# KiCad board QBusH723Z.kicad_pcb (continued)
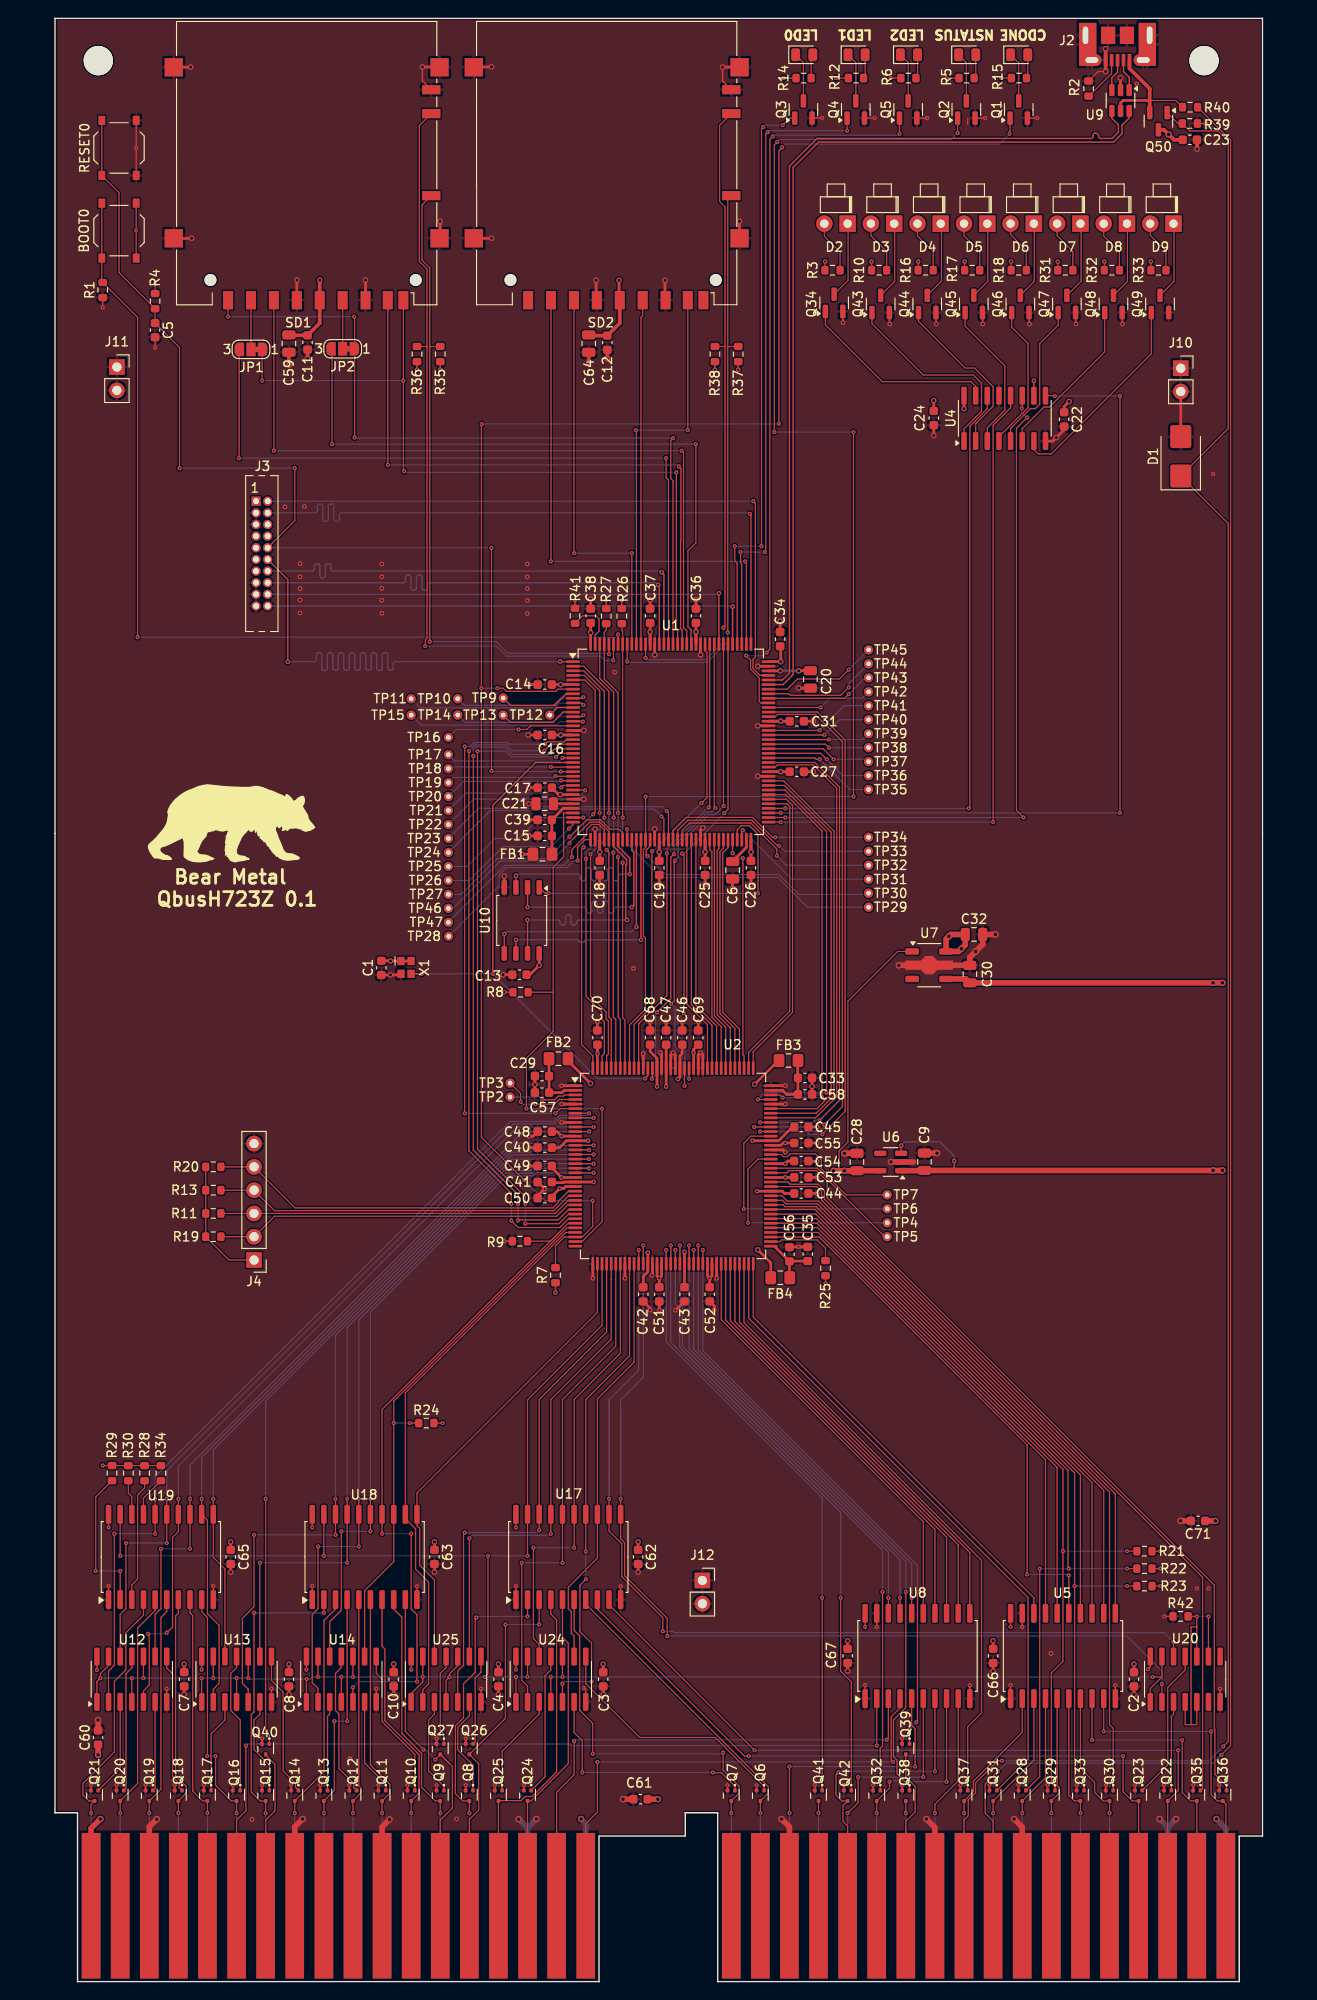
[diagram p0: board, top side]
## Library data of the parts (continued)
U12-U14 U20 U24 U25 = -: Datasheet: http://www.ti.com/lit/gpn/sn74LS08; Description: Quad And2; LCSC: C6052; ki_fp_filters: DIP*W7.62mm*
X1 = -: Datasheet: https://jlcpcb.com/partdetail/3151420-SX1M8000M10F30TNN/C2901607; Description: 1.62V~3.63V ±10ppm CMOS 8MHz SMD2016-4P Oscillators; LCSC: C2901607; ki_fp_filters: Oscillator*SMD*ECS*2520MV*2.5x2.0mm*

## Footprints (pads in the part's own frame, mm; a bottom-side part is the same pattern mirrored in y, then rotated)
C_0603_1608Metric
  rrect 0.9x0.95 smd: 1(-0.775,0) 2(0.775,0)
C_0805_2012Metric
  rrect 1x1.45 smd: 1(-0.95,0) 2(0.95,0)
C_0805_2012Metric_Pad1.18x1.45mm_HandSolder
  rrect 1.175x1.45 smd: 1(-1.038,0) 2(1.038,0)
Conn_02x10_Odd_Even_wide_connector
  rect 1x1 hole 0.65: 1(0,0)
  oval 1x1 hole 0.65: 2(1.27,0) 3(0,-1.27) 4(1.27,-1.27) 5(0,-2.54) 6(1.27,-2.54) 7(0,-3.81) 8(1.27,-3.81) 9(0,-5.08) 10(1.27,-5.08) 11(0,-6.35) 12(1.27,-6.35) 13(0,-7.62) 14(1.27,-7.62) 15(0,-8.89) 16(1.27,-8.89) 17(0,-10.16) 18(1.27,-10.16) 19(0,-11.43) 20(1.27,-11.43)
Crystal_SMD_2016-4Pin_2.0x1.6mm
  rect 0.9x0.8 smd: 1(-0.7,-0.55) 2(0.7,-0.55) 3(0.7,0.55) 4(-0.7,0.55)
D_SMB
  rrect 2.5x2.3 smd: 1(-2.15,0) 2(2.15,0)
DEC_Edge_Fingers_double_height
  rect 2.032x15.875 smd: AA1(1.016,8.001) AB1(4.191,8.001) AC1(7.366,8.001) AD1(10.541,8.001) AE1(13.716,8.001) AF1(16.891,8.001) AH1(20.066,8.001) AJ1(23.241,8.001) AK1(26.416,8.001) AL1(29.591,8.001) AM1(32.766,8.001) AN1(35.941,8.001) AP1(39.116,8.001) AR1(42.291,8.001) AS1(45.466,8.001) AT1(48.641,8.001) AU1(51.816,8.001) AV1(54.991,8.001) BA1(70.866,8.001) BB1(74.041,8.001) BC1(77.216,8.001) BD1(80.391,8.001) BE1(83.566,8.001) BF1(86.741,8.001) BH1(89.916,8.001) BJ1(93.091,8.001) BK1(96.266,8.001) BL1(99.441,8.001) BM1(102.616,8.001) BN1(105.791,8.001) BP1(108.966,8.001) BR1(112.141,8.001) BS1(115.316,8.001) BT1(118.491,8.001) BU1(121.666,8.001) BV1(124.841,8.001)
  rect 2.032x15.875 smd far side: AA2(1.016,8.001) AB2(4.191,8.001) AC2(7.366,8.001) AD2(10.541,8.001) AE2(13.716,8.001) AF2(16.891,8.001) AH2(20.066,8.001) AJ2(23.241,8.001) AK2(26.416,8.001) AL2(29.591,8.001) AM2(32.766,8.001) AN2(35.941,8.001) AP2(39.116,8.001) AR2(42.291,8.001) AS2(45.466,8.001) AT2(48.641,8.001) AU2(51.816,8.001) AV2(54.991,8.001) BA2(70.866,8.001) BB2(74.041,8.001) BC2(77.216,8.001) BD2(80.391,8.001) BE2(83.566,8.001) BF2(86.741,8.001) BH2(89.916,8.001) BJ2(93.091,8.001) BK2(96.266,8.001) BL2(99.441,8.001) BM2(102.616,8.001) BN2(105.791,8.001) BP2(108.966,8.001) BR2(112.141,8.001) BS2(115.316,8.001) BT2(118.491,8.001) BU2(121.666,8.001) BV2(124.841,8.001)
LED_0805_2012Metric
  rrect 0.975x1.4 smd: 1(-0.938,0) 2(0.938,0)
LED_D3.0mm_right_angle_holder
  rect 1.8x1.8 hole 0.9: 1(0,0)
  round 1.8 hole 0.9: 2(2.54,0)
LQFP-144_20x20mm_P0.5mm
  rrect 1.475x0.3 smd: 1(-10.662,8.75) 2(-10.662,8.25) 3(-10.662,7.75) 4(-10.662,7.25) 5(-10.662,6.75) 6(-10.662,6.25) 7(-10.662,5.75) 8(-10.662,5.25) 9(-10.662,4.75) 10(-10.662,4.25) 11(-10.662,3.75) 12(-10.662,3.25) 13(-10.662,2.75) 14(-10.662,2.25) 15(-10.662,1.75) 16(-10.662,1.25) 17(-10.662,0.75) 18(-10.662,0.25) 19(-10.662,-0.25) 20(-10.662,-0.75) 21(-10.662,-1.25) 22(-10.662,-1.75) 23(-10.662,-2.25) 24(-10.662,-2.75) 25(-10.662,-3.25) 26(-10.662,-3.75) 27(-10.662,-4.25) 28(-10.662,-4.75) 29(-10.662,-5.25) 30(-10.662,-5.75) 31(-10.662,-6.25) 32(-10.662,-6.75) 33(-10.662,-7.25) 34(-10.662,-7.75) 35(-10.662,-8.25) 36(-10.662,-8.75) 73(10.662,-8.75) 74(10.662,-8.25) 75(10.662,-7.75) 76(10.662,-7.25) 77(10.662,-6.75) 78(10.662,-6.25) 79(10.662,-5.75) 80(10.662,-5.25) 81(10.662,-4.75) 82(10.662,-4.25) 83(10.662,-3.75) 84(10.662,-3.25) 85(10.662,-2.75) 86(10.662,-2.25) 87(10.662,-1.75) 88(10.662,-1.25) 89(10.662,-0.75) 90(10.662,-0.25) 91(10.662,0.25) 92(10.662,0.75) 93(10.662,1.25) 94(10.662,1.75) 95(10.662,2.25) 96(10.662,2.75) 97(10.662,3.25) 98(10.662,3.75) 99(10.662,4.25) 100(10.662,4.75) 101(10.662,5.25) 102(10.662,5.75) 103(10.662,6.25) 104(10.662,6.75) 105(10.662,7.25) 106(10.662,7.75) 107(10.662,8.25) 108(10.662,8.75)
  rrect 0.3x1.475 smd: 37(-8.75,-10.662) 38(-8.25,-10.662) 39(-7.75,-10.662) 40(-7.25,-10.662) 41(-6.75,-10.662) 42(-6.25,-10.662) 43(-5.75,-10.662) 44(-5.25,-10.662) 45(-4.75,-10.662) 46(-4.25,-10.662) 47(-3.75,-10.662) 48(-3.25,-10.662) 49(-2.75,-10.662) 50(-2.25,-10.662) 51(-1.75,-10.662) 52(-1.25,-10.662) 53(-0.75,-10.662) 54(-0.25,-10.662) 55(0.25,-10.662) 56(0.75,-10.662) 57(1.25,-10.662) 58(1.75,-10.662) 59(2.25,-10.662) 60(2.75,-10.662) 61(3.25,-10.662) 62(3.75,-10.662) 63(4.25,-10.662) 64(4.75,-10.662) 65(5.25,-10.662) 66(5.75,-10.662) 67(6.25,-10.662) 68(6.75,-10.662) 69(7.25,-10.662) 70(7.75,-10.662) 71(8.25,-10.662) 72(8.75,-10.662) 109(8.75,10.662) 110(8.25,10.662) 111(7.75,10.662) 112(7.25,10.662) 113(6.75,10.662) 114(6.25,10.662) 115(5.75,10.662) 116(5.25,10.662) 117(4.75,10.662) 118(4.25,10.662) 119(3.75,10.662) 120(3.25,10.662) 121(2.75,10.662) 122(2.25,10.662) 123(1.75,10.662) 124(1.25,10.662) 125(0.75,10.662) 126(0.25,10.662) 127(-0.25,10.662) 128(-0.75,10.662) 129(-1.25,10.662) 130(-1.75,10.662) 131(-2.25,10.662) 132(-2.75,10.662) 133(-3.25,10.662) 134(-3.75,10.662) 135(-4.25,10.662) 136(-4.75,10.662) 137(-5.25,10.662) 138(-5.75,10.662) 139(-6.25,10.662) 140(-6.75,10.662) 141(-7.25,10.662) 142(-7.75,10.662) 143(-8.25,10.662) 144(-8.75,10.662)
MountingHole_3.2mm_M3
  round 3.2 hole 3.2 unplated: (0,0)
PinHeader_1x06_P2.54mm_Vertical
  rect 1.7x1.7 hole 1: 1(0,0)
  oval 1.7x1.7 hole 1: 2(0,-2.54) 3(0,-5.08) 4(0,-7.62) 5(0,-10.16) 6(0,-12.7)
PinSocket_1x02_P2.54mm_Vertical
  rect 1.7x1.7 hole 1: 1(0,0)
  oval 1.7x1.7 hole 1: 2(0,-2.54)
R_0603_1608Metric
  rrect 0.8x0.95 smd: 1(-0.825,0) 2(0.825,0)
SD_Hirose_DM1AA_SF_PEJ82
  round 1.3 hole 1.3 unplated: (-11.9,12.75) (10.5,12.75)
  rect 1.1x2 smd: 1(6.075,14.95) 2(3.575,14.95) 3(1.075,14.95) 4(-1.425,14.95) 5(-3.925,14.95) 6(-6.425,14.95) 7(-8.85,14.95) 8(-10.55,14.95) 9(8.575,14.95)
  rect 2x1 smd: 10(-13.6,3.55) 11(-13.6,-5.4) 12(-13.6,-8)
  rect 2x2 smd: 13(-14.5,8.2) 14(-14.5,-10.45) 15(14.5,-10.45) 16(14.5,8.2)
SOIC-8_5.23x5.23mm_P1.27mm
  rrect 1.6x0.6 smd: 1(-3.6,1.905) 2(-3.6,0.635) 3(-3.6,-0.635) 4(-3.6,-1.905) 5(3.6,-1.905) 6(3.6,-0.635) 7(3.6,0.635) 8(3.6,1.905)
SOIC-14_3.9x8.7mm_P1.27mm
  rrect 1.95x0.6 smd: 1(-2.475,3.81) 2(-2.475,2.54) 3(-2.475,1.27) 4(-2.475,0) 5(-2.475,-1.27) 6(-2.475,-2.54) 7(-2.475,-3.81) 8(2.475,-3.81) 9(2.475,-2.54) 10(2.475,-1.27) 11(2.475,0) 12(2.475,1.27) 13(2.475,2.54) 14(2.475,3.81)
SOIC-16_3.9x9.9mm_P1.27mm
  rrect 1.95x0.6 smd: 1(-2.475,4.445) 2(-2.475,3.175) 3(-2.475,1.905) 4(-2.475,0.635) 5(-2.475,-0.635) 6(-2.475,-1.905) 7(-2.475,-3.175) 8(-2.475,-4.445) 9(2.475,-4.445) 10(2.475,-3.175) 11(2.475,-1.905) 12(2.475,-0.635) 13(2.475,0.635) 14(2.475,1.905) 15(2.475,3.175) 16(2.475,4.445)
SOIC-20W_7.5x12.8mm_P1.27mm
  rrect 2.05x0.6 smd: 1(-4.65,5.715) 2(-4.65,4.445) 3(-4.65,3.175) 4(-4.65,1.905) 5(-4.65,0.635) 6(-4.65,-0.635) 7(-4.65,-1.905) 8(-4.65,-3.175) 9(-4.65,-4.445) 10(-4.65,-5.715) 11(4.65,-5.715) 12(4.65,-4.445) 13(4.65,-3.175) 14(4.65,-1.905) 15(4.65,-0.635) 16(4.65,0.635) 17(4.65,1.905) 18(4.65,3.175) 19(4.65,4.445) 20(4.65,5.715)
SolderJumper-3_P1.3mm_Bridged12_RoundedPad1.0x1.5mm_NumberLabels
  custom 1.05x1.5 smd: 1(-1.3,0) 3(1.3,0)
  rect 1x1.5 smd: 2(0,0)
SOT-23
  rrect 1.475x0.6 smd: 1(-0.938,0.95) 2(-0.938,-0.95) 3(0.938,0)
SOT-23-5
  rrect 1.325x0.6 smd: 1(-1.137,0.95) 2(-1.137,0) 3(-1.137,-0.95) 4(1.137,-0.95) 5(1.137,0.95)
SOT-23-6
  rrect 1.325x0.6 smd: 1(-1.137,0.95) 2(-1.137,0) 3(-1.137,-0.95) 4(1.137,-0.95) 5(1.137,0) 6(1.137,0.95)
SOT-89-5
  rrect 1.5x0.7 smd: 1(-1.85,1.5) 3(-1.85,-1.5) 4(1.85,-1.5) 5(1.85,1.5)
  custom 5.2x2 smd: 2(0,0)
SOT-723
  rrect 0.45x0.4 smd: 1(-0.575,0.4) 2(-0.575,-0.4) 3(0.575,0)
SW_Push_1P1T_XKB_TS-1187A
  rect 1x0.75 smd: 1(-3,1.875) 1(3,1.875) 2(-3,-1.875) 2(3,-1.875)
TestPoint_THTPad_D1.0mm_Drill0.5mm_min
  round 1 hole 0.5: 1(0,0)
USB_Micro-B_Molex-105017-0002
  rect 0.4x1.35 smd: 1(-1.3,1.462) 2(-0.65,1.462) 3(0,1.462) 4(0.65,1.462) 5(1.3,1.462)
  oval 1.4x2.7 hole 0.6x1.9: 6(-3.5,-1.238) 6(3.5,-1.238)
  rect 1.9x4.7 smd: 6(-3.25,-0.25) 6(3.25,-0.25)
  oval 2.1x1.3 hole 1.4x0.6: 6(-2.8,1.462) 6(2.8,1.462)
  rect 1.55x1.9 smd: 6(-1.025,-1.238) 6(1.025,-1.238)

## Nets
+1V2: C28.1 C40.1 C41.1 C42.1 C43.1 C44.1 C45.1 C46.1 C47.1 C68.1 FB2.1 FB3.1 FB4.1 U2.13 U2.22 U2.49 U2.57 U2.85 U2.96 U2.125 U2.128 U2.130 U6.5 U7.1
+3V3: BOOT0.1 C1.1 C2.1 C3.1 C4.1 C7.1 C8.1 C10.1 C11.1 C12.1 C13.1 C14.1 C16.1 C17.1 C18.1 C19.1 C22.1 C24.1 C25.1 C26.1 C27.1 C31.1 C32.1 C34.1 C36.1 C37.1 C38.1 C48.1 C49.1 C50.1 C51.1 C52.1 C53.1 C54.1 C55.1 C59.1 C62.1 C63.1 C64.1 C65.1 C66.1 C67.1 C69.1 C70.1 FB1.1 J3.1 J4.1 R4.2 R7.1 R8.1 R11.1 R13.1 R19.1 R20.1 R21.1 R22.1 R23.1 R24.1 R25.1 R26.1 R27.1 R28.2 R29.2 R30.2 R34.2 R35.2 R36.2 R37.2 R38.2 R41.1 SD1.4 SD2.4 U1.6 U1.17 U1.30 U1.39 U1.52 U1.62 U1.72 U1.84 U1.95 U1.108 U1.121 U1.131 U1.144 U2.12 U2.21 U2.23 U2.51 U2.52 U2.62 U2.63 U2.88 U2.91 U2.95 U2.122 U2.143 U4.10 U4.16 U5.20 U7.5 U8.20 U10.8 U12.14 U13.14 U14.14 U17.20 U18.20 U19.20 U20.14 U24.14 U25.14 X1.1 X1.4
+5V: C9.1 C23.1 C30.1 C60.1 C61.1 C71.1 J1.AA2 J1.BA2 J1.BV1 Q50.3 R3.2 R5.1 R6.1 R10.2 R12.1 R14.1 R15.1 R16.2 R17.2 R18.2 R31.2 R32.2 R33.2 U6.1 U6.3 U7.4
/VCCA_BR: C35.1 C56.1 FB4.2 U2.73
/VCCA_TL: C29.1 C57.1 FB2.2 U2.2
/VCCA_TR: C33.1 C58.1 FB3.2 U2.107
/VDDA_0: C15.1 C39.1 FB1.2 U1.33
GND: C1.2 C2.2 C3.2 C4.2 C5.2 C6.2 C7.2 C8.2 C9.2 C10.2 C11.2 C12.2 C13.2 C14.2 C15.2 C16.2 C17.2 C18.2 C19.2 C20.2 C21.2 C22.2 C23.2 C24.2 C25.2 C26.2 C27.2 C28.2 C29.2 C30.2 C31.2 C32.2 C33.2 C34.2 C35.2 C36.2 C37.2 C38.2 C39.2 C40.2 C41.2 C42.2 C43.2 C44.2 C45.2 C46.2 C47.2 C48.2 C49.2 C50.2 C51.2 C52.2 C53.2 C54.2 C55.2 C56.2 C57.2 C58.2 C59.2 C60.2 C61.2 C62.2 C63.2 C64.2 C65.2 C66.2 C67.2 C68.2 C69.2 C70.2 C71.2 D1.2 J1.AC2 J1.AJ1 J1.AM1 J1.AT1 J1.BC2 J1.BJ1 J1.BM1 J1.BT1 J2.5 J2.6 J3.3 J3.5 J3.15 J3.17 J3.19 J4.6 J10.1 J10.2 J11.1 J11.2 J12.1 J12.2 Q1.2 Q2.2 Q3.2 Q4.2 Q5.2 Q6.2 Q7.2 Q8.2 Q9.2 Q10.2 Q11.2 Q12.2 Q13.2 Q14.2 Q15.2 Q16.2 Q17.2 Q18.2 Q19.2 Q20.2 Q21.2 Q22.2 Q23.2 Q24.2 Q25.2 Q26.2 Q27.2 Q28.2 Q29.2 Q30.2 Q31.2 Q32.2 Q33.2 Q34.2 Q35.2 Q36.2 Q37.2 Q38.2 Q39.2 Q40.2 Q41.2 Q42.2 Q43.2 Q44.2 Q45.2 Q46.2 Q47.2 Q48.2 Q49.2 R1.1 R2.1 R9.1 R39.1 R42.1 RESET0.2 SD1.3 SD1.6 SD1.12 SD1.13 SD1.14 SD1.15 SD1.16 SD2.3 SD2.6 SD2.12 SD2.13 SD2.14 SD2.15 SD2.16 U1.16 U1.31 U1.38 U1.51 U1.61 U1.83 U1.94 U1.107 U1.120 U1.130 U2.1 U2.5 U2.9 U2.37 U2.44 U2.50 U2.64 U2.94 U2.104 U2.108 U2.120 U2.121 U2.126 U2.127 U2.129 U2.133 U4.8 U4.13 U5.1 U5.10 U5.19 U6.2 U7.2 U8.1 U8.10 U8.19 U9.2 U10.4 U12.7 U13.7 U14.7 U17.1 U17.10 U18.1 U18.10 U19.1 U19.10 U20.7 U24.7 U25.7 X1.2
/+5B: J1.AV1
/+12B: J1.BS1
/A16: U1.80 U2.105
/A17: U1.81 U2.103
/A18: U1.82 U2.102
/A19: U1.2 U2.140
/A20: U1.3 U2.141
/A21: U1.4 U2.142
/A22: U1.5 U2.144
/BBS7f: U2.68 U8.12
/BBS7g: Q32.1 U2.55
/BBS7L: J1.AP2 Q32.3 U8.8
/BDAL0f: U2.46 U17.13 U24.9
/BDAL0g: Q6.1 U24.8
/BDAL0L: J1.AU2 Q6.3 U17.7
/BDAL1f: U2.45 U17.14 U24.5
/BDAL1g: Q7.1 U24.6
/BDAL1L: J1.AV2 Q7.3 U17.6
/BDAL2f: U2.40 U17.18 U25.5
/BDAL2g: Q8.1 U25.6
/BDAL2L: J1.BE2 Q8.3 U17.2
/BDAL3f: U2.33 U18.12 U25.2
/BDAL3g: Q9.1 U25.3
/BDAL3L: J1.BF2 Q9.3 U18.8
/BDAL4f: R24.2 U2.32 U14.9 U18.13
/BDAL4g: Q10.1 U14.8
/BDAL4L: J1.BH2 Q10.3 U18.7
/BDAL5f: R9.2 U2.31 U14.5 U18.14
/BDAL5g: Q11.1 U14.6
/BDAL5L: J1.BJ2 Q11.3 U18.6
/BDAL6f: U2.20 U14.12 U18.15
/BDAL6g: Q12.1 U14.11
/BDAL6L: J1.BK2 Q12.3 U18.5
/BDAL7f: U2.19 U14.2 U18.16
/BDAL7g: Q13.1 U14.3
/BDAL7L: J1.BL2 Q13.3 U18.4
/BDAL8f: U2.18 U13.9 U18.17
/BDAL8g: Q14.1 U13.8
/BDAL8L: J1.BM2 Q14.3 U18.3
/BDAL9f: U2.17 U13.5 U18.18
/BDAL9g: Q15.1 U13.6
/BDAL9L: J1.BN2 Q15.3 U18.2
/BDAL10f: U2.15 U13.12 U19.11
/BDAL10g: Q16.1 U13.11
/BDAL10L: J1.BP2 Q16.3 U19.9
/BDAL11f: U2.14 U13.2 U19.12
/BDAL11g: Q17.1 U13.3
/BDAL11L: J1.BR2 Q17.3 U19.8
/BDAL12f: U2.11 U12.9 U19.13
/BDAL12g: Q18.1 U12.8
/BDAL12L: J1.BS2 Q18.3 U19.7
/BDAL13f: U2.10 U12.5 U19.14
/BDAL13g: Q19.1 U12.6
/BDAL13L: J1.BT2 Q19.3 U19.6
/BDAL14f: U2.8 U12.12 U19.15
/BDAL14g: Q20.1 U12.11
/BDAL14L: J1.BU2 Q20.3 U19.5
/BDAL15f: U2.7 U12.2 U19.16
/BDAL15g: Q21.1 U12.3
/BDAL15L: J1.BV2 Q21.3 U19.4
/BDAL16f: U2.48 U17.11 U20.2
/BDAL16g: Q22.1 U20.3
/BDAL16L: J1.AC1 Q22.3 U17.9
/BDAL17f: U2.47 U17.12 U20.12
/BDAL17g: Q23.1 U20.11
/BDAL17L: J1.AD1 Q23.3 U17.8
/BDAL18f: U2.43 U17.15 U24.12
/BDAL18g: Q24.1 U24.11
/BDAL18L: J1.BC1 Q24.3 U17.5
/BDAL19f: U2.42 U17.16 U24.2
/BDAL19g: Q25.1 U24.3
/BDAL19L: J1.BD1 Q25.3 U17.4
/BDAL20f: U2.41 U17.17 U25.9
/BDAL20g: Q26.1 U25.8
/BDAL20L: J1.BE1 Q26.3 U17.3
/BDAL21f: U2.38 U18.11 U25.12
/BDAL21g: Q27.1 U25.11
/BDAL21L: J1.BF1 Q27.3 U18.9
/BDCOK: J1.BA1 U8.4
/BDCOKf: U2.60 U8.16
/BDINf: U2.75 U5.15
/BDINg: Q29.1 R21.2 U2.78
/BDINL: J1.AH2 Q29.3 U5.5
/BDMGIf: U2.66 U8.14
/BDMGIL: J1.AR2 U8.6
/BDMGOg: Q41.1 U2.53
/BDMGOL: J1.AS2 Q41.3
/BDMRg: Q39.1 U2.61
/BDMRL: J1.AN1 Q39.3
/BDOUTf: U2.82 U5.13
/BDOUTg: Q30.1 U2.84
/BDOUTL: J1.AE2 Q30.3 U5.7
/BEVNTL: J1.BR1
/BHALTL: J1.AP1
/BIAKIf: U2.69 U8.11
/BIAKIL: J1.AM2 U8.9
/BIAKOg: Q38.1 U2.59
/BIAKOL: J1.AN2 Q38.3
/BINITf: U2.65 U8.15
/BINITL: J1.AT2 U8.5
/BIRQ4f: U2.72 U5.18
/BIRQ4g: Q37.1 U2.70
/BIRQ4L: J1.AL2 Q37.3 U5.2
/BIRQ5f: U2.86 U5.11
/BIRQ5g: Q36.1 U2.89
/BIRQ5L: J1.AA1 Q36.3 U5.9
/BIRQ6f: U2.83 U5.12
/BIRQ6g: Q35.1 U2.87
/BIRQ6L: J1.AB1 Q35.3 U5.8
/BIRQ7f: U2.56 U8.18
/BIRQ7L: J1.BP1 U8.2
/BKUPPWR: J1.AS1
/BOOT0: BOOT0.2 R1.2 U1.138
/BPOK: J1.BB1 U8.3
/BPOKf: U2.58 U8.17
/BREFf: U2.67 U8.13
/BREFg: Q42.1 U2.54
/BREFL: J1.AR1 Q42.3 U8.7
/BRPLYf: U2.81 U5.14
/BRPLYg: Q33.1 R23.2 U2.80
/BRPLYL: J1.AF2 Q33.3 U5.6
/BSACKg: Q40.1 U2.16
/BSACKL: J1.BN1 Q40.3
/BSYNCf: U2.77 U5.16
/BSYNCg: Q28.1 R22.2 U2.79
/BSYNCL: J1.AJ2 Q28.3 U5.4
/BWTBTf: U2.76 U5.17
/BWTBTg: Q31.1 U2.71
/BWTBTL: J1.AK2 Q31.3 U5.3
/CARD_DETECT_1: R35.1 SD1.10 U1.140
/CARD_DETECT_2: R37.1 SD2.10 U1.136
/CDONE: Q1.1 R7.2 U1.7 U2.34
/CLK_8MHz: U1.23 U2.132 X1.3
/CRESET_N: R8.2 U1.34 U2.35
/DA0: U1.85 U2.101
/DA1: U1.86 U2.100
/DA2: U1.114 U2.123
/DA3: U1.115 U2.124
/DA4: U1.58 U2.119
/DA5: U1.59 U2.118
/DA6: U1.60 U2.117
/DA7: U1.63 U2.116
/DA8: U1.64 U2.115
/DA9: U1.65 U2.114
/DA10: U1.66 U2.113
/DA11: U1.67 U2.112
/DA12: U1.68 U2.111
/DA13: U1.77 U2.110
/DA14: U1.78 U2.109
/DA15: U1.79 U2.106
/F_TCK: J4.3 R11.2 U2.26
/F_TDI: J4.2 R19.2 U2.27
/F_TDO: J4.5 R20.2 U2.24
/F_TMS: J4.4 R13.2 U2.25
/FMC_CLK: U1.117 U2.131
/LD0: Q34.1 U4.15
/LD1: Q43.1 U4.1
/LD2: Q44.1 U4.2
/LD3: Q45.1 U4.3
/LD4: Q46.1 U4.4
/LD5: Q47.1 U4.5
/LD6: Q48.1 U4.6
/LD7: Q49.1 U4.7
/LED0: Q3.1 U1.112
/LED1: Q4.1 U1.111
/LED2: Q5.1 U1.99
/MCO1: TP43.1 U1.100
/MSPARE_AK1: J1.AK1 R40.1
/MSPARE_AL1: D1.1 J1.AL1 Q50.1 R39.2
/MSPAREB: J1.BL1
/MSPAREB : J1.BK1
/NBL0: R27.2 U1.141 U2.138
/NBL1: U1.142 U2.139
/NE1: U1.97 U2.98
/NL: R26.2 U1.137 U2.137
/NOE: U1.118 U2.134
/nRESET: C5.1 J3.10 R4.1 RESET0.1 U1.25
/NSTATUS: Q2.1 U1.49 U2.136
/NWAIT: U1.96 U2.99
/NWE: U1.119 U2.135
/Outbound: U2.39 U12.1 U12.4 U12.10 U12.13 U13.1 U13.4 U13.10 U13.13 U14.1 U14.4 U14.10 U14.13 U17.19 U18.19 U19.19 U20.1 U20.13 U24.1 U24.4 U24.10 U24.13 U25.1 U25.4 U25.10 U25.13
/PD6_SD_CLK: JP2.3 U1.122
/PD7_SD_CMD_SPI1_MOSI: SD1.2 U1.123
/PDR_ON: R41.2 U1.143
/PG9_SD_D0_SPI1_MISO: SD1.7 U1.124
/PG10_SD_D1_SPI1_NSS: JP1.1 SD1.8 U1.125
/PG11_SD_D2_SPI1_SCK: JP2.1 SD1.9 U1.126
/PG12_SD_D3: JP1.3 U1.127
/PSPARE1: J1.AU1
/PSPARE2: J1.BU1
/QSPI_CLK: U1.48 U10.6
/QSPI_IO0: U1.47 U10.5
/QSPI_IO1: U1.46 U10.2
/QSPI_IO2: U1.43 U10.3
/QSPI_IO3: U1.42 U10.7
/QSPI_NCS: U1.69 U10.1
/REF_RES: U2.36
/RXD: TP45.1 U1.102
/SD_CLK_SPI1_SCK: JP2.2 SD1.5
/SD_D3_SPI1_NSS: JP1.2 SD1.1
/SPI2_MISO: U1.75 U4.9
/SPI2_MOSI: U1.76 U4.14
/SPI2_NSS: U1.73 U4.12
/SPI2_SCK: U1.74 U4.11
/SPI3_MISO: SD2.7 U1.134
/SPI3_MOSI: SD2.2 U1.135
/SPI3_NSS: SD2.1 U1.110
/SPI3_SCK: SD2.5 U1.133
/SPI5_MISO: U1.20 U2.28
/SPI5_MOSI: U1.21 U2.29
/SPI5_NSS: U1.18 U2.6
/SPI5_SCK: U1.19 U2.30
/SSPARE1: J1.AE1
/SSPARE2: J1.AF1
/SSPARE3: J1.AH1
/SSPARE8: J1.BH1
/SWCLK: J3.4 U1.109
/SWDIO: J3.2 U1.105
/TDI: J3.8
/TDO: J3.6
/TEST_N: R25.2 U2.74
/TRACECK: J3.12 U1.1
/TRACED0: J3.14 U1.128
/TRACED1: J3.16 U1.129
/TRACED2: J3.18 U1.116
/TRACED3: J3.20 U1.113
/TXD: TP44.1 U1.101
/USB_D+: U1.104 U9.4
/USB_D-: U1.103 U9.6
/WRITE_PROTECT_1: R36.1 SD1.11 U1.139
/WRITE_PROTECT_2: R38.1 SD2.11 U1.132
Net-(C6-Pad1): C6.1 U1.71
Net-(C20-Pad1): C20.1 U1.106
Net-(CDONE0-A): CDONE0.2 R15.2
Net-(CDONE0-K): CDONE0.1 Q1.3
Net-(D2-A): D2.2 R3.1
Net-(D2-K): D2.1 Q34.3
Net-(D3-A): D3.2 R10.1
Net-(D3-K): D3.1 Q43.3
Net-(D4-A): D4.2 R16.1
Net-(D4-K): D4.1 Q44.3
Net-(D5-A): D5.2 R17.1
Net-(D5-K): D5.1 Q45.3
Net-(D6-A): D6.2 R18.1
Net-(D6-K): D6.1 Q46.3
Net-(D7-A): D7.2 R31.1
Net-(D7-K): D7.1 Q47.3
Net-(D8-A): D8.2 R32.1
Net-(D8-K): D8.1 Q48.3
Net-(D9-A): D9.2 R33.1
Net-(D9-K): D9.1 Q49.3
Net-(J2-D+): J2.3 U9.3
Net-(J2-D-): J2.2 U9.1
Net-(J2-ID): J2.4 R2.2
Net-(J2-VBUS): J2.1 Q50.2 R40.2 U9.5
Net-(LED0-A): LED0.2 R14.2
Net-(LED0-K): LED0.1 Q3.3
Net-(LED1-A): LED1.2 R12.2
Net-(LED1-K): LED1.1 Q4.3
Net-(LED2-A): LED2.2 R6.2
Net-(LED2-K): LED2.1 Q5.3
Net-(NSTATUS0-A): NSTATUS0.2 R5.2
Net-(NSTATUS0-K): NSTATUS0.1 Q2.3
Net-(R42-Pad2): R42.2 U20.4 U20.5 U20.9 U20.10
Net-(U1-PA1): TP25.1 U1.35
Net-(U1-PA2): TP26.1 U1.36
Net-(U1-PA3): TP28.1 U1.37
Net-(U1-PA4): TP47.1 U1.40
Net-(U1-PA5): TP46.1 U1.41
Net-(U1-PB11): TP31.1 U1.70
Net-(U1-PC0): TP19.1 U1.26
Net-(U1-PC1): TP20.1 U1.27
Net-(U1-PC2_C): TP21.1 U1.28
Net-(U1-PC3_C): TP22.1 U1.29
Net-(U1-PC4): TP27.1 U1.44
Net-(U1-PC5): TP29.1 U1.45
Net-(U1-PC8): TP42.1 U1.98
Net-(U1-PC14): TP9.1 U1.8
Net-(U1-PC15): TP10.1 U1.9
Net-(U1-PF0): TP11.1 U1.10
Net-(U1-PF1): TP12.1 U1.11
Net-(U1-PF2): TP13.1 U1.12
Net-(U1-PF3): TP14.1 U1.13
Net-(U1-PF4): TP15.1 U1.14
Net-(U1-PF5): TP16.1 U1.15
Net-(U1-PF10): TP17.1 U1.22
Net-(U1-PF12): TP30.1 U1.50
Net-(U1-PF13): TP24.1 U1.53
Net-(U1-PF14): TP23.1 U1.54
Net-(U1-PF15): TP34.1 U1.55
Net-(U1-PG0): TP33.1 U1.56
Net-(U1-PG1): TP32.1 U1.57
Net-(U1-PG2): TP35.1 U1.87
Net-(U1-PG3): TP36.1 U1.88
Net-(U1-PG4): TP37.1 U1.89
Net-(U1-PG5): TP38.1 U1.90
Net-(U1-PG6): TP39.1 U1.91
Net-(U1-PG7): TP40.1 U1.92
Net-(U1-PG8): TP41.1 U1.93
Net-(U1-PH1): TP18.1 U1.24
Net-(U1-VREF+): C21.1 U1.32
Net-(U2C-GPIOL_53_CDI10): TP2.1 U2.3
Net-(U2C-GPIOL_54_CDI11): TP3.1 U2.4
Net-(U2F-GPIOR_122_CLK13_CDI21): TP6.1 U2.97
Net-(U2F-GPIOR_123_CLK12_CDI20): TP7.1 U2.93
Net-(U2G-GPIOR_125_CLK10): TP4.1 U2.92
Net-(U2G-GPIOR_128_CTRL11): TP5.1 U2.90
Net-(U19-A0): R29.1 U19.2
Net-(U19-A1): R28.1 U19.3
Net-(U19-Y0): R30.1 U19.18
Net-(U19-Y1): R34.1 U19.17

Pads without a net: J1 AB2 AD2 BB2 BD2; J3 7 9 11 13; SD2 8 9; U6 4; U7 3; U20 6 8

## Via types
v1: diameter 0.61, hole 0.356, Top to Bottom, 103 vias
v2: diameter 0.508, hole 0.254, Top to Bottom, 114 vias
v3: diameter 0.45, hole 0.2, Top to Bottom, 468 vias
v4: diameter 0.711, hole 0.406, Top to Bottom, 34 vias

## Routing (per net, layer and track width the routed paths; a pad name or vN(x,y) marks a point on that pad's centre or on a via; arc(x,y) is an arc through that point)
+1V2: length 93.4
  Top w0.127: U7.1 91.95,112.36 86.52,106.93 86.52,91.56 85.55,90.59 85.55,88.43
  Top w0.3: C68.1 64.94,101.45 65.69,100.7 U2.130 v2(65.69,97.62) ; v2(66.69,97.62) U2.128 C47.1 ; 78.94,100.46 v1(76.34,97.86) ; C44.1 79.6,85.96 79.35,86.21 U2.85 v2(76.6,86.21) ; v2(58.77,87.21) U2.22 55.56,87.21 55.49,87.13 54.29,87.13 ; C40.1 55.06,90.96 55.81,91.71 U2.13 v2(58.17,91.71) ; C46.1 68.44,101.21 68.19,100.96 U2.125 68.19,98.65 v2(67.97,98.44) ; 80.46,93.21 78.96,91.71 U2.96 v2(76.1,91.71) ; C43.1 U2.57 v2(68.69,79.59) ; C42.1 64.19,76.93 64.69,77.43 U2.49 64.69,79.5 v2(64.67,79.51)
  Top w0.305: 55.97,100.42 v1(58.44,97.96) ; FB4.1 78.1,78.4 v1(76.68,79.82)
  Top w0.6: v4(84.96,88.43) 87.49,88.43 ; U6.5 C28.1
  In2.Cu w0.6: v4(86.13,88.43) 75.92,88.43
+3V3: length 174.7
  Top w0.127: 27.43,35.49 v3(27.43,34.03) ; 50.29,50.98 v3(50.29,49.52) ; R20.1 R13.1 R11.1 R19.1 18.99,78.7 J4.1 ; 88.39,40.06 v3(88.39,38.7) ; BOOT0.1 v3(8.86,191) BOOT0.1 ; v3(42.29,60.92) R24.1 ; R22.1 v3(120.6,45.05) ; 5.84,50.98 v3(5.84,49.52) ; v3(60.15,150.66) R27.1 ; 16,35.49 v3(16,34.03) ; 4.57,35.46 v3(4.57,34) ; 10.92,184.11 v3(10.92,185.19) ; R26.1 v3(61.85,150.63) ; v3(5.21,56.29) R29.2 R34.2 ; R23.1 v3(120.6,43.14) ; 28.07,50.98 v3(28.07,49.52) ; 119.51,35.49 119.51,34.33 v3(119.25,34.07) ; 50.29,35.49 v3(50.29,34.03) ; 38.86,35.49 v3(38.86,34.03) ; R25.1 v3(84.07,76.16) ; v3(56.74,150.63) R41.1 ; 104.27,40.06 v3(104.27,38.7) ; R21.1 v3(120.59,46.95)
  Top w0.152: R7.1 v2(54.61,75.15) ; 74.55,176.75 v2(74.55,175.79) ; v2(42.04,175.79) 42.04,176.75 ; 39.5,176.75 v2(39.5,175.79) ; R8.1 v2(49.02,107.91) ; U4.10 v2(106.81,174.61) ; 72.01,176.75 v2(72.01,175.79)
  Top w0.3: C67.1 v1(86.49,37.17) ; C66.1 v1(102.36,37.17) ; C54.1 79.97,89.5 v2(79.69,89.21) U2.91 ; v1(75.94,123.21) U1.72 C26.1 ; v1(70.94,123.21) U1.62 C25.1 ; C17.1 54.96,129.46 v1(55.13,129.46) U1.30 ; U1.144 v1(58.44,147.12) 58.45,147.13 C38.1 ; U1.39 v1(59.44,123.21) C18.1 ; C14.1 U1.6 v1(55.19,141.46) ; U2.23 55.71,86.71 55.5,86.5 v2(55.07,86.5) 55.06,86.5 54.21,85.65 ; v2(71.43,76.72) 71.19,76.96 U2.62 ; v2(71.43,76.72) 71.44,76.71 C52.1 ; v2(71.43,76.72) 71.69,76.97 U2.63 ; C3.1 v1(59.82,34.63) ; C19.1 v1(65.94,123.21) U1.52 ; C8.1 v1(25.53,34.63) ; C2.1 v1(117.73,34.63) ; C31.1 U1.95 v1(79.19,137.46) ; C16.1 v1(55.19,135.96) U1.17 ; U2.21 v2(55.27,87.71) 54.21,88.77 ; v1(64.94,147.21) U1.131 C37.1 ; v2(65.94,76.72) 65.69,76.97 U2.51 ; v2(65.94,76.72) 66.19,76.97 U2.52 ; v2(65.94,76.72) C51.1 ; C7.1 v1(14.1,34.63) ; C36.1 U1.121 v1(69.94,147.21) ; C53.1 v2(79.69,87.71) U2.88 ; C27.1 U1.84 v1(79.19,131.96) ; C63.1 v1(41.4,47.97) ; C48.1 54.77,92.71 v2(55.27,92.21) 56.74,92.21 ; U1.108 v1(79.19,143.96) 79.19,145.58 ; C62.1 v1(63.63,47.97) ; C65.1 v1(19.18,47.97) ; C55.1 v2(79.69,91.46) 79.44,91.46 79.19,91.21 U2.95 ; C69.1 69.67,101.67 v2(69.67,101.31) 69.69,101.29 U2.122 ; C4.1 v1(48.39,34.63) ; C10.1 v1(36.96,34.63) ; U2.143 v2(59.19,101.21)
  Top w0.305: 61.55,183.35 61.55,185.54 v1(61.55,185.55) ; C22.1 110.11,171.8 v1(110.65,172.34) ; v1(95.89,172.43) C24.1 ; v2(59.19,101.21) C70.1 ; 52.83,112.2 v1(52.83,110.83) 51.82,109.82 C13.1 ; C1.1 36.58,111.34 v1(36.6,111.31) X1.4 ; v1(50.94,122.96) FB1.1 ; v1(99.19,171.54) U4.16
  Top w0.406: v1(28.89,185.58) 28.89,185.58 SD1.4 28.89,180.88 C11.1 25.53,179.55 ; SD2.4 61.62,180.88 C12.1 58.24,179.52
  Top w0.61: v4(97.54,114.01) 97.74,114.21 C32.1 99.33,113.08 v4(98.89,112.65) 98.6,112.36 U7.5 97.23,113.7 v4(97.54,114.01)
+5V: length 126.7
  Top w0.127: R33.2 v2(119.57,187.6) ; v3(79.5,207.61) R14.1 ; 109.42,186.63 v2(109.42,187.58) ; v3(103.25,207.61) R15.1 ; 104.32,186.65 v2(104.32,187.6) ; v3(91.19,207.61) R6.1 ; v3(97.28,207.61) R5.1 ; 99.26,186.65 v2(99.26,187.6) ; 89.1,186.65 v2(89.1,187.6) ; 94.18,186.65 v2(94.18,187.6) ; 114.5,186.65 v2(114.5,187.6) ; v3(85.22,207.61) R12.1 ; 84.02,186.65 v2(84.02,187.6)
  Top w0.152: v2(92.33,91.17) 92.32,91.17 U6.3 ; v2(98.12,89.52) 98.12,88.47
  Top w0.406: C23.1 122.1,200.88 v4(121.51,201.46) 121,201.97 Q50.3
  Top w0.61: U7.4 99.4,109.36 C30.1 127.38,108.93 v4(127.38,108.93) ; v4(4.95,17.74) 3.94,16.73 J1.BV1 ; U6.1 94.84,88.45 ; C71.1 v4(126.62,50.25) ; C60.1 v4(4.7,24.73) ; v4(127.38,88.48) 127.37,88.47 v4(126.37,88.47) C9.1 ; C61.1 v4(65.79,19.9)
  In2.Cu w0.61: v4(4.7,24.73) 2.26,24.73
  Bottom w0.152: v2(92.33,91.17) 92.76,91.61 96.55,91.61 98.12,90.03 v2(98.12,89.52)
  Bottom w0.61: v4(57.4,17.74) 57.91,17.23 J1.BA2 ; J1.AA2 127.76,16.7 v4(126.72,17.74)
  vias: v4(126.37,108.93)
/VCCA_BR: length 6.1
  Top w0.3: 78.48,80.21 C56.1 80.14,76.81
  Top w0.305: 80.17,78.59 C35.1
/VCCA_TL: length 6.7
  Top w0.3: C29.1 C57.1 55.31,96.96 55.56,97.21 U2.2
  Top w0.305: FB2.2 53.9,98.77
/VCCA_TR: length 6.8
  Top w0.3: U2.107 79.4,97.21 79.85,96.76 C58.1 C33.1 ; 81.04,100.42 81.04,98.59
/VDDA_0: length 6.6
  Top w0.3: C15.1 C39.1 55.46,127.96 U1.33
  Top w0.305: FB1.2 54.22,124.95
GND: length 323.1
  Top w0.127: 117.83,20.86 v3(117.83,21.44) ; 47.99,20.85 v3(47.99,21.43) ; v3(89.44,203.26) 88.36,203.26 ; 35.29,20.85 v3(35.29,21.43) ; U19.1 v3(5.84,43.14) ; 86.08,20.87 v3(86.08,21.45) ; 46.48,30.47 v3(46.48,31.94) ; 82.91,20.86 v3(82.91,21.44) ; Q21.2 3.92,21.41 v3(3.94,21.42) ; 108.31,20.86 v3(108.31,21.44) ; 127.13,30.47 v3(127.13,31.94) ; 111.48,20.86 v3(111.48,21.44) ; RESET0.2 v3(8.86,200.02) RESET0.2 ; U8.19 v3(89.66,38.7) ; v3(83.7,203.26) 82.62,203.26 ; 99.82,30.85 v3(99.82,32.32) ; U17.1 v3(50.29,43.14) ; 38.46,20.85 v3(38.46,21.43) ; 115.7,30.85 v3(115.7,32.32) ; 121.01,20.86 v3(121.01,21.44) ; 41.66,25.96 v3(41.66,26.5) ; 105.13,20.86 v3(105.13,21.44) ; 39.5,41.64 v3(39.5,43.12) ; 12.19,30.47 v3(12.19,31.94) ; 98.78,20.86 v3(98.78,21.44) ; v3(95.16,203.24) 94.07,203.24 ; 28.94,20.85 v3(28.94,21.43) ; 101.96,20.86 v3(101.96,21.44) ; Q26.2 44.81,26.49 v3(44.83,26.5) ; R2.1 113.8,208.31 v1(114.64,208.31) ; 25.76,20.85 v3(25.76,21.43) ; R1.1 v3(5.21,182.59) ; 35.05,30.47 v3(35.05,31.94) ; 51.16,20.85 v3(51.16,21.43) ; 22.59,20.85 v3(22.59,21.43) ; 32.11,20.85 v3(32.11,21.43) ; v3(121.03,39.84) R42.1 ; v3(101.51,203.24) 100.42,203.24 ; U5.19 v3(105.54,38.7) ; v3(57.71,32.04) 57.91,31.84 57.91,30.47 ; U18.1 v3(28.07,43.14) ; Q16.2 v3(19.41,21.44) ; U8.1 v3(88.39,32.35) ; 89.26,20.85 v3(89.26,21.43) ; 23.62,30.47 v3(23.62,31.94) ; 76.56,20.85 v3(76.56,21.43) ; v3(107.19,203.24) Q1.2 ; C5.2 v3(10.92,178.21) ; U5.1 v3(104.27,32.35) ; v3(127.03,21.45) 127.03,21.44 Q36.2 ; 44.81,20.85 v3(44.81,21.43) ; v3(125.55,202.65) R39.1 ; 124.21,20.86 v3(124.21,21.44) ; v3(9.89,21.45) 9.89,20.88 ; 73.39,20.85 v3(73.39,21.43) ; v3(6.71,21.45) 6.71,20.88 ; 22.61,25.96 v3(22.61,26.5) ; U19.10 v3(17.27,43.14) ; 99.59,202.56 99.59,203.22 ; 114.68,20.86 v3(114.68,21.44) ; 41.64,20.85 v3(41.64,21.43) ; v3(13.06,21.45) 13.06,20.88 ; 92.44,25.95 v3(92.44,26.53) ; 92.44,20.85 v3(92.44,21.43) ; 61.72,41.64 v3(61.72,43.12) ; v3(16.24,21.45) 16.24,20.88
  Top w0.152: 106.3,182.01 106.3,180.81 ; v2(85.98,180.94) 85.96,180.95 Q34.2 ; v2(48.97,80.76) R9.1 ; 67.74,73.24 v2(67.69,73.24) ; 91.06,182.01 91.06,180.81 ; SD2.12 72.84,207.3 v1(72.84,208.79) ; v1(40.09,208.81) 40.09,207.31 SD1.12 ; 111.38,182.01 111.38,180.81 ; 96.14,182.01 96.14,180.81 ; 101.22,182.01 101.22,180.81 ; 116.46,182.01 116.46,180.81
  Top w0.3: C10.2 v1(36.96,31.33) ; U2.9 v2(55.27,93.71) ; C2.2 v1(117.73,31.33) ; U2.50 65.19,77.09 v2(65.13,77.03) ; U2.121 70.19,101.09 ; U2.129 66.19,101.19 ; C66.2 v1(102.36,33.87) ; v1(57.69,128.96) U1.31 ; C65.2 v1(19.18,44.67) ; C63.2 v1(41.4,44.67) ; U1.83 v1(76.69,131.46) ; D1.2 122.83,173.42 ; U2.44 v2(62.19,76.71) ; U2.64 v2(72.19,76.71) ; U2.37 v2(58.69,76.71) ; C7.2 v1(14.1,31.33) ; U2.104 v2(79.69,95.71) ; C62.2 v1(63.63,44.67) ; C3.2 v1(59.82,31.33) ; v1(70.7,125.84) 70.44,125.58 U1.61 ; U2.120 70.69,101.08 ; v2(79.69,90.46) 79.44,90.71 U2.94 ; C4.2 v1(48.39,31.33) ; v1(57.69,136.46) U1.16 ; U1.94 v1(76.69,136.96) ; U1.130 v1(65.44,144.71) ; U1.38 v1(58.94,125.71) ; C8.2 v1(25.53,31.33) ; U2.1 v2(55.27,97.71) ; C67.2 v1(86.49,33.87) ; v1(76.69,143.46) U1.107 ; U2.5 v2(55.27,95.71) ; U1.120 v1(70.44,144.71) ; U2.127 67.19,101.06 v2(67.44,101.31) 67.69,101.06 U2.126 ; U2.108 v2(79.69,97.71) ; U1.51 v1(65.44,125.71) ; U2.133 v2(64.19,101.21)
  Top w0.305: 59.05,183.35 59.05,185.54 v1(59.05,185.55) ; 66.19,101.19 v2(66.04,101.33) ; 70.19,103.71 v2(70.19,104.69) ; 52.69,141.46 v1(51.64,141.46) ; 66.55,183.35 66.55,185.54 ; 81.69,137.46 v1(82.74,137.46) ; 65.94,74.21 v2(65.94,73.24) ; 79.12,147.33 v1(79.12,148.38) ; 12.99,190.12 14.9,190.12 ; 108.08,168.02 108.87,168.02 v1(109.25,168.4) 110.11,169.26 C22.2 ; v1(51.71,128.46) 52.69,128.46 ; C15.2 v1(51.69,124.96) ; v1(74.68,191.99) 74.68,190.18 ; 37.63,109.79 36.63,109.79 v1(36.6,109.81) 36.58,109.79 C1.2 ; C52.2 71.94,73.69 v2(71.94,73.24) ; C29.2 v1(52.36,97.84) C57.2 ; 75.94,120.71 v1(75.94,119.66) ; v1(26.39,185.58) 26.39,185.58 SD1.3 ; 42,208.82 40.09,208.82 ; 82.19,87.71 v2(83.16,87.71) ; 82.19,91.46 v2(83.16,91.46) ; 64.94,149.71 v1(64.94,150.71) ; 74.75,208.8 72.84,208.8 ; 45.72,208.83 47.63,208.83 ; 70.69,101.08 v2(70.43,101.33) 70.19,101.09 ; 52.69,90.96 v2(51.71,90.96) ; 81.69,131.96 v1(82.74,131.96) ; v1(49.02,120.55) U10.4 ; 65.94,120.71 v1(65.94,119.66) ; 52.66,85.69 v2(53.44,86.46) 52.69,87.21 ; C43.2 67.74,73.24 ; 69.94,149.71 v1(69.94,150.71) ; C58.2 v1(82.61,97.64) C33.2 ; C48.2 52.16,92.21 v2(51.71,92.21) ; C39.2 v1(51.69,126.71) ; C6.2 v1(73.94,119.21) ; 70.94,120.71 v1(70.94,119.66) ; v2(64.94,73.24) 64.94,73.44 C42.2 ; v1(58.45,150.79) C38.2 ; 12.89,208.79 14.8,208.79 ; 68.44,103.71 v2(68.44,104.69) ; C20.2 v1(81.15,141.07) 81.47,141.07 81.48,141.06 ; v2(83.16,89.46) 82.24,89.46 ; 82.19,85.96 v2(83.16,85.96) ; 80.17,80.14 C35.2 v3(81.14,80.14) ; SD1.6 33.89,185.58 ; C24.2 v1(95.89,168.62) ; 59.19,103.71 v2(59.19,104.69) ; v1(42.04,191.99) 42.04,190.21 ; 59.44,120.71 v1(59.44,119.66) ; 52.69,88.96 v2(51.71,88.96) ; C47.2 v2(66.69,104.71) ; v1(51.69,130.21) C17.2 ; 45.72,190.13 47.63,190.13 ; 82.19,93.21 v2(83.16,93.21) ; 52.69,135.96 v1(51.64,135.96) ; v1(116.26,207.64) U9.2 ; v1(48.9,109.82) 49.91,109.82 ; C68.2 v2(64.94,104.71)
  Top w0.406: C64.2 v1(58.24,176.62) ; J2.5 v1(114.64,210.81) ; 27.56,178.02 v1(27.56,177.01) ; C59.2 v1(25.53,176.29) ; 114.64,209.55 v1(114.64,208.31) ; 60.27,177.98 v1(60.27,176.98) ; v1(124.61,199.86) 124.61,200.86
  Top w0.6: v4(91.21,89.4) 93.65,89.4
  Top w0.61: J1.AM1 96.01,16.8 v4(95.07,17.74) ; v4(86.13,90.34) 86.14,90.35 C28.2 ; v4(96.24,90.36) 96.23,90.37 C9.2 ; v4(36.5,17.69) 35.69,16.88 J1.BJ1 ; J1.AT1 80.14,16.88 v4(79.27,17.74) ; v4(102.62,114.21) C32.2 101.23,113.13 v4(100.46,112.36) 99.82,111.72 C30.2 ; C60.2 v4(4.7,28.54) ; C71.2 v4(122.81,50.25) ; 26.16,8.28 26.16,16.88 v4(27.03,17.74) ; v4(92.08,110.83) 92.1,110.86 U7.2 99.8,110.86 ; J1.BT1 10.29,16.9 v4(11.1,17.72) ; J1.AJ1 105.54,16.85 v4(104.65,17.74) ; C61.2 v4(61.98,19.9)
  Bottom w0.61: 121.41,16.85 122.3,17.74 v4(122.33,17.74) ; 121.41,16.85 v4(120.52,17.74) ; 121.41,16.85 J1.AC2 ; v4(50.6,17.72) 50.62,17.72 51.56,16.78 ; 51.56,16.78 J1.BC2 ; 51.56,16.78 v4(52.53,17.74)
  vias: v1(14.81,208.8) v1(14.91,190.13) v1(33.89,185.58) v1(47.64,208.83) v1(47.64,190.14) v1(66.55,185.55) v2(21.49,17.69) v2(25.1,160.85) v2(26.75,154.65) v2(26.75,153.2) v2(26.75,151.93) v2(26.75,150.69) v2(26.75,149.26) v2(27.2,160.87) v2(32.18,24.32) v2(35.66,154.62) v2(35.66,153.23) v2(35.66,151.96) v2(35.66,150.66) v2(35.66,149.24) v2(43.81,17.74) v2(51.54,154.6) v2(51.54,153.2) v2(51.54,151.93) v2(51.54,150.63) v2(51.54,149.21) v2(61.06,142.81) v2(63.12,110.5) v2(91.08,180.79) v2(96.16,180.79) v2(101.24,180.79) v2(106.32,180.79) v2(108.66,35.8) v2(111.4,180.79) v2(116.48,180.79) v3(118.03,207) v3(124.59,42.89) v3(125.86,42.89) v3(126.37,164.43)
